# Altium PCB Time4CM4_Modular.PcbDoc (part 1 of 2) (continued)
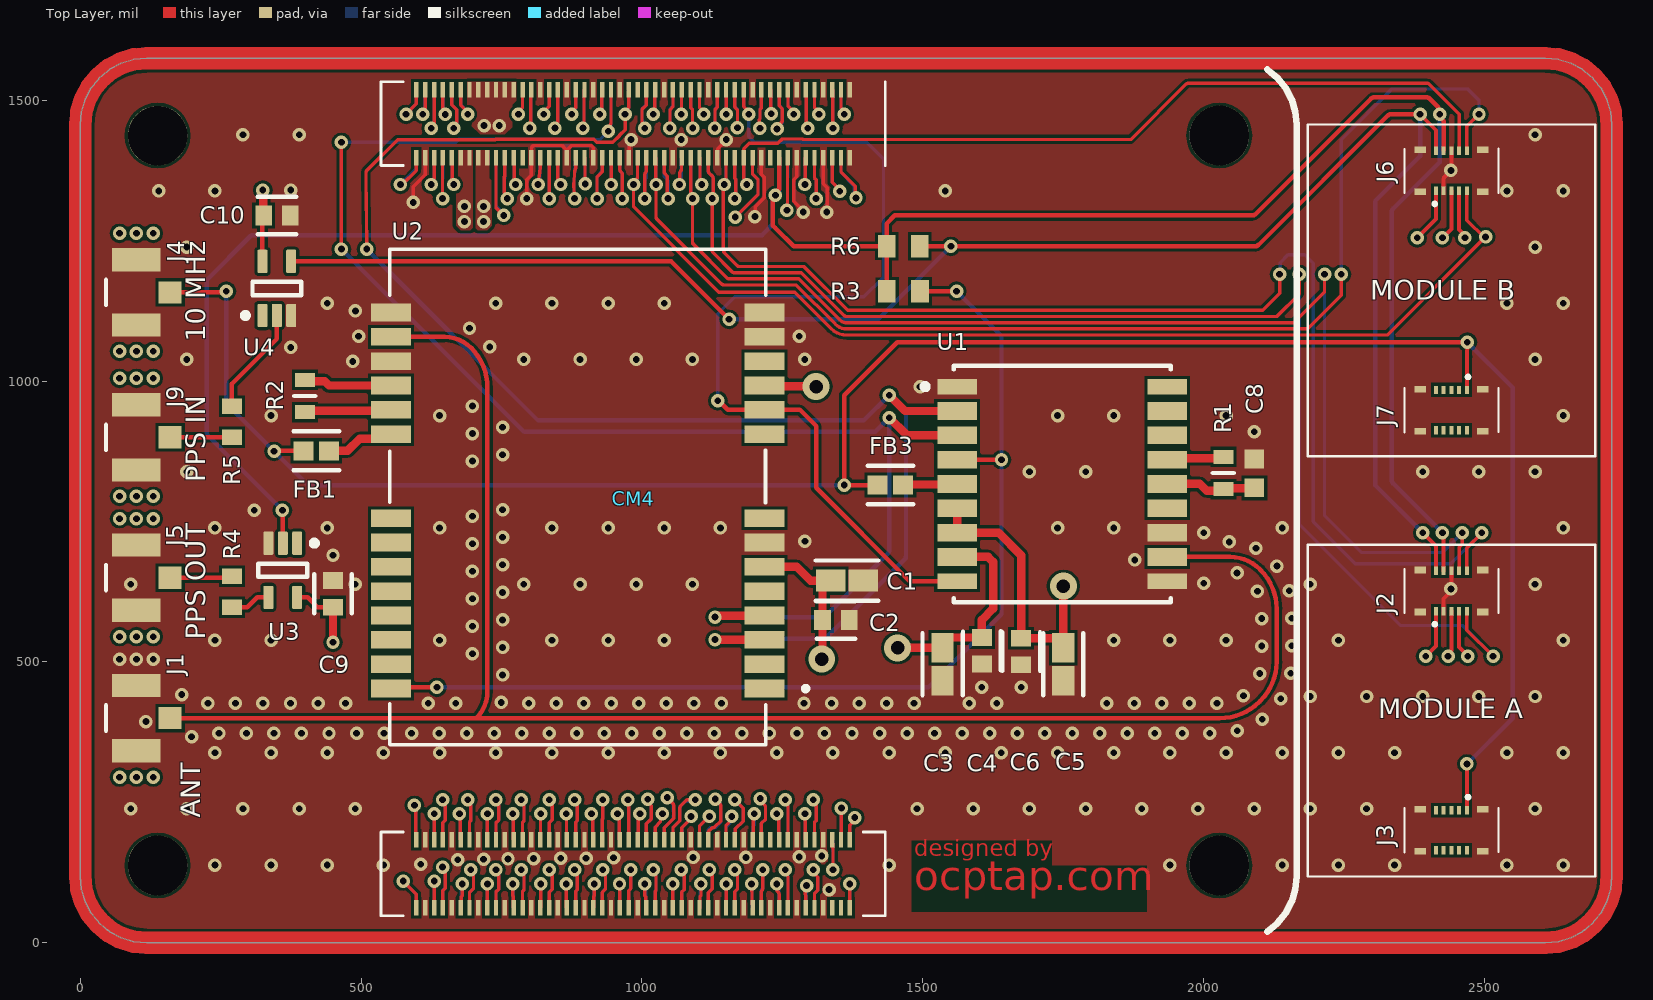
[diagram p0: Top Layer view]
## Footprints (in the part's own frame and the unit in brackets; to place one, negate y for a bottom-side part, rotate by r counter-clockwise, add the part's x,y. Pads: shape width x height; smd on the part's side, far side on the other; paste and mask are expansions set on the pad) (continued)
  silkscreen extent -18.85,-25.86 18.85,27.5, body extent -18.69,-13.82 18.69,8.79, height 1.4
CM4-F40C-100DS-0.4v_1.5mm_0mm#2 [mm] "DF40C-100DS-0.4v by Amornthep Phunsin"
  rect 0.7x0.2 smd: 1(18.5,-7.3) 2(15.42,-7.3) 3(18.5,-6.9) 4(15.42,-6.9) 5(18.5,-6.5) 6(15.42,-6.5) 7(18.5,-6.1) 8(15.42,-6.1) 9(18.5,-5.7) 10(15.42,-5.7) 11(18.5,-5.3) 12(15.42,-5.3) 13(18.5,-4.9) 14(15.42,-4.9) 15(18.5,-4.5) 16(15.42,-4.5) 17(18.5,-4.1) 18(15.42,-4.1) 19(18.5,-3.7) 20(15.42,-3.7) 21(18.5,-3.3) 22(15.42,-3.3) 23(18.5,-2.9) 24(15.42,-2.9) 25(18.5,-2.5) 26(15.42,-2.5) 27(18.5,-2.1) 28(15.42,-2.1) 29(18.5,-1.7) 30(15.42,-1.7) 31(18.5,-1.3) 32(15.42,-1.3) 33(18.5,-0.9) 34(15.42,-0.9) 35(18.5,-0.5) 36(15.42,-0.5) 37(18.5,-0.1) 38(15.42,-0.1) 39(18.5,0.3) 40(15.42,0.3) 41(18.5,0.7) 42(15.42,0.7) 43(18.5,1.1) 44(15.42,1.1) 45(18.5,1.5) 46(15.42,1.5) 47(18.5,1.9) 48(15.42,1.9) 49(18.5,2.3) 50(15.42,2.3) 51(18.5,2.7) 52(15.42,2.7) 53(18.5,3.1) 54(15.42,3.1) 55(18.5,3.5) 56(15.42,3.5) 57(18.5,3.9) 58(15.42,3.9) 59(18.5,4.3) 60(15.42,4.3) 61(18.5,4.7) 62(15.42,4.7) 63(18.5,5.1) 64(15.42,5.1) 65(18.5,5.5) 66(15.42,5.5) 67(18.5,5.9) 68(15.42,5.9) 69(18.5,6.3) 70(15.42,6.3) 71(18.5,6.7) 72(15.42,6.7) 73(18.5,7.1) 74(15.42,7.1) 75(18.5,7.5) 76(15.42,7.5) 77(18.5,7.9) 78(15.42,7.9) 79(18.5,8.3) 80(15.42,8.3) 81(18.5,8.7) 82(15.42,8.7) 83(18.5,9.1) 84(15.42,9.1) 85(18.5,9.5) 86(15.42,9.5) 87(18.5,9.9) 88(15.42,9.9) 89(18.5,10.3) 90(15.42,10.3) 91(18.5,10.7) 92(15.42,10.7) 93(18.5,11.1) 94(15.42,11.1) 95(18.5,11.5) 96(15.42,11.5) 97(18.5,11.9) 98(15.42,11.9) 99(18.5,12.3) 100(15.42,12.3) 101(-15.42,-7.3) 102(-18.5,-7.3) 103(-15.42,-6.9) 104(-18.5,-6.9) 105(-15.42,-6.5) 106(-18.5,-6.5) 107(-15.42,-6.1) 108(-18.5,-6.1) 109(-15.42,-5.7) 110(-18.5,-5.7) 111(-15.42,-5.3) 112(-18.5,-5.3) 113(-15.42,-4.9) 114(-18.5,-4.9) 115(-15.42,-4.5) 116(-18.5,-4.5) 117(-15.42,-4.1) 118(-18.5,-4.1) 119(-15.42,-3.7) 120(-18.5,-3.7) 121(-15.42,-3.3) 122(-18.5,-3.3) 123(-15.42,-2.9) 124(-18.5,-2.9) 125(-15.42,-2.5) 126(-18.5,-2.5) 127(-15.42,-2.1) 128(-18.5,-2.1) 129(-15.42,-1.7) 130(-18.5,-1.7) 131(-15.42,-1.3) 132(-18.5,-1.3) 133(-15.42,-0.9) 134(-18.5,-0.9) 135(-15.42,-0.5) 136(-18.5,-0.5) 137(-15.42,-0.1) 138(-18.5,-0.1) 139(-15.42,0.3) 140(-18.5,0.3) 141(-15.42,0.7) 142(-18.5,0.7) 143(-15.42,1.1) 144(-18.5,1.1) 145(-15.42,1.5) 146(-18.5,1.5) 147(-15.42,1.9) 148(-18.5,1.9) 149(-15.42,2.3) 150(-18.5,2.3) 151(-15.42,2.7) 152(-18.5,2.7) 153(-15.42,3.1) 154(-18.5,3.1) 155(-15.42,3.5) 156(-18.5,3.5) 157(-15.42,3.9) 158(-18.5,3.9) 159(-15.42,4.3) 160(-18.5,4.3) 161(-15.42,4.7) 162(-18.5,4.7) 163(-15.42,5.1) 164(-18.5,5.1) 165(-15.42,5.5) 166(-18.5,5.5) 167(-15.42,5.9) 168(-18.5,5.9) 169(-15.42,6.3) 170(-18.5,6.3) 171(-15.42,6.7) 172(-18.5,6.7) 173(-15.42,7.1) 174(-18.5,7.1) 175(-15.42,7.5) 176(-18.5,7.5) 177(-15.42,7.9) 178(-18.5,7.9) 179(-15.42,8.3) 180(-18.5,8.3) 181(-15.42,8.7) 182(-18.5,8.7) 183(-15.42,9.1) 184(-18.5,9.1) 185(-15.42,9.5) 186(-18.5,9.5) 187(-15.42,9.9) 188(-18.5,9.9) 189(-15.42,10.3) 190(-18.5,10.3) 191(-15.42,10.7) 192(-18.5,10.7) 193(-15.42,11.1) 194(-18.5,11.1) 195(-15.42,11.5) 196(-18.5,11.5) 197(-15.42,11.9) 198(-18.5,11.9) 199(-15.42,12.3) 200(-18.5,12.3)
  silkscreen extent -18.85,-8.9 18.85,13.9, body extent -18.67,-8.8 18.66,13.8, height 2.87
DCK0005A_M [mm] "SOT23, 5-Leads, Body 2.15x1.4mm, Pitch 0.65mm, IPC Low Density"
  rrect22% 1.05x0.45 smd: 1(-1.225,0.65) 2(-1.225,0) 3(-1.225,-0.65) 4(1.225,-0.65) 5(1.225,0.65)
  silkscreen extent -1.35,-1.1 0.3,1.55, body extent -1.14,-1 1.14,1, height 0.94
FP-BLM18-0_15-t0_8-IPC_C [mil]
  rect 35.67x33.79 smd paste+0 mask+0: 1(-22.68,0) 2(22.68,0)
  silkscreen extent -41,-34 41,34, body extent -44,-23 44,23, height 10
FP-C0603C-CF-MFG [mm]
  rect 0.75x0.9 smd paste+0 mask+0: 1(-0.6,0) 2(0.6,0)
  silkscreen extent -0.87,-0.85 0.88,0.85, body extent -1.2,-0.6 1.2,0.6, height 0.25
FP-C1608-080-0_1-IPC_A [mil]
  rect 52.4x39.85 smd paste+0 mask+0: 1(-29.15,0) 2(29.15,0)
  silkscreen extent -55,-36 55,36, body extent -75,-40 75,40, height 10
FP-ERJ3EK-MFG [mm]
  rect 0.65x0.9 smd paste+0 mask+0: 1(-0.725,0) 2(0.725,0)
  silkscreen extent 0,-0.48 0,0.48, body extent -1.15,-0.58 1.15,0.58, height 0.25
FP-MAX-M8W-0-MFG [mm]
  rect 1.8x0.7 smd paste-1000 mask+0: 1(-4.75,4.4) 9(-4.75,-4.4) 10(4.75,-4.4) 18(4.75,4.4)
  rect 1.8x0.8 smd paste-1000 mask+0: 2(-4.75,3.3) 3(-4.75,2.2) 4(-4.75,1.1) 5(-4.75,0) 6(-4.75,-1.1) 7(-4.75,-2.2) 8(-4.75,-3.3) 11(4.75,-3.3) 12(4.75,-2.2) 13(4.75,-1.1) 14(4.75,0) 15(4.75,1.1) 16(4.75,2.2) 17(4.75,3.3)
  silkscreen extent -6.32,-5.35 4.9,5.35, body extent -5.75,-5.45 5.75,5.45, height 0.25
FP-U_FL-R-SMT-1_10-MFG [mm]
  rect 1x1.05 smd paste-1000 mask+0: 1(0,1.525)
  rect 1.05x2.2 smd paste-1000 mask+0: 2(-1.475,0) 3(1.475,0)
  silkscreen extent -0.58,-1.38 0.58,-1.38, body extent -2.1,-1.48 2.1,2.15, height 0.25
LEA [mm] "u-blox LEA GNSS module"
  rect 1.8x0.8 smd paste-4: 1(8.445,-8.5)
  rect 1.8x0.8 smd paste-0.4 mask+0.102: 2(8.445,-7.4) 3(8.445,-6.3) 4(8.445,-5.2) 5(8.445,-4.1) 6(8.445,-3) 7(8.445,-1.9) 8(8.445,-0.8) 9(8.445,3) 10(8.445,4.1) 11(8.445,5.2) 12(8.445,6.3) 13(8.445,7.4) 14(8.445,8.5) 16(-8.445,7.4) 17(-8.445,6.3) 18(-8.445,5.2) 19(-8.445,4.1) 20(-8.445,3) 21(-8.445,-0.8) 22(-8.445,-1.9) 23(-8.445,-3) 24(-8.445,-4.1) 25(-8.445,-5.2) 26(-8.445,-6.3) 27(-8.445,-7.4) 28(-8.445,-8.5)
  rect 1.8x0.8 smd paste-0.4: 15(-8.445,8.5)
  silkscreen extent -8.51,-11.04 10.33,11.36, body extent -8.5,-11.01 8.5,11.39, height 2.35
RESC1608X55X25ML10T15 [mm] "Chip Resistor, 2-Leads, Body 1.60x0.80mm, IPC Low Density"
  rect 0.8x1 smd: 1(-0.75,0) 2(0.75,0)
  body extent -0.85,-0.45 0.85,0.45, height 0.55
RESC1608X55X25NL10T15 [mm] "Chip Resistor, 2-Leads, Body 1.70x0.90mm, IPC Medium Density"
  rect 0.7x0.9 smd: 1(-0.7,0) 2(0.7,0)
  body extent -0.85,-0.45 0.85,0.45, height 0.55

## Part data
C1 C3 C5: library part CMP-2000-04979-3, "Multilayer Ceramic Capacitors 10μF ±10% 10V X5R SMD 0603", Case Code (Imperial)=0603, Case Code (Metric)=1608, Dielectric=X5R, Dielectric Material=Ceramic, Max Operating Temperature=85°C, Min Operating Temperature=-55°C, Package Quantity=1, Tolerance=10%, Voltage=10V, Capacitance=10uF, Case/Package=0603, Construction=Flat, Depth=0.8mm, Height=0.8mm, Lead Free="Lead Free", Length=1.6mm, Mount="Surface Mount", Number of Pins=2, Packaging="Tape and Reel", Radiation Hardening=No, REACH SVHC="No SVHC", Resistor Type=Ceramic, RoHS Compliant=Yes, Series=C, Termination=SMD/SMT, Thickness=0.035inch, Voltage Rating=10V, Voltage Rating (DC)=10V, Weight=7.1E-05oz, Width=0.8mm
C2 C4 C6 C9 C10: library part CMP-2006-03068-2, "CAP CER 0.1UF 50V 20% X7R 0603", Capacitance="0.10 μF", Manufacturer=KEMET, Manufacturer Part Number=C0603C104M5RACTU, Package=C0603C-CF, Temperature="-55°C to +125°C", Temperature Characteristic=X7R, Temperature Coefficient=30ppm/°C, Temperature Range High=+125°C, Temperature Range Low=-55°C, Tolerance=0.2, Voltage Rating="50 V", Automotive=Yes, Automotive Grade="Grade 1", Category=Cap, ComponentLink2Description=Datasheet, ComponentLink2URL=https://api.kemet.com/component-edge/download/datasheet/C0603C100J5GACAUTO.pdf, Device Class L1="Passive Components", Device Class L2=Capacitors, Device Class L3="Ceramic Capacitors", Digikey Description="CAP CER 0.1UF 50V 20% X7R 0603", Height=0.87mm, Lead Free=Yes, Material=Ceramic, Mouser Description="Multilayer Ceramic Capacitors MLCC - SMD/SMT 50volts 0.1uF X7R 20%", Octopart=https://octopart.com/c0603c104m5ractu-kemet-11855687, RoHS=TRUE
C8: library part CMP-2006-02059-1, Manufacturer="AVX Interconnect / Elco", Part Number=0603YC103KAT2A
CM1 CM4: library part CM4, "Raspberry Pi Compute Module 4 by Amornthep Phunsin"
FB1 FB3: library part CMP-06046-001255-1, "Chip Ferrite Bead, 0603, 1000Ω @ 100MHz, 1.6Ω, 25%, 100mA", Case Code (Imperial)=0603, Case Code (Metric)=1608, DC Resistance (DCR)=1.6R, Max Current Rating=100mA, Max Operating Temperature=125°C, Min Operating Temperature=-55°C, Package Quantity=4000, Ratings=AEC-Q200, Test Frequency=100MHz, Tolerance=25%, Case/Package=0603, Contact Plating=Tin, Height=0.037inch, Impedance=1kR, Length=1.6mm, Max DC Current=100mA, Mount="Surface Mount", Number Of Circuits=1, Number of Lines=1, Packaging="Tape and Reel", Shielding=Unshielded, Termination=SMD/SMT, Width=0.8mm
J1 J4 J5 J9: library part CMP-2000-05152-3, "CONN U.FL RCPT STR 50 OHM SMD", Dielectric Material=Polymer, Frequency=6GHz, Housing Color=Beige, Insulation Resistance=500MR, Max Operating Temperature=90°C, Min Operating Temperature=-40°C, Package Quantity=2500, Body Material=Bronze, Body Plating=Silver, Connector Type=Coaxial, Contact Material=Brass, Contact Plating=Gold, Depth=3.1mm, Fastening Type=Snap, Gender=Male, Impedance=50R, Lead Free="Lead Free", Length=3mm, Max Frequency=6GHz, Mount="Surface Mount", Orientation=Straight, Packaging="Cut Tape", Radiation Hardening=No, REACH SVHC="No SVHC", Series=U.FL, Termination=Solder, Weight=0.001764oz, Wire/Cable Type=Coaxial
J2 J3 J6 J7: "Connector", Manufacturer_Name=Hirose, Manufacturer_Part_Number=BM23FR0.8-10DS-0.35V(895), Mouser Part Number=798-3FR0810DS035V895, Datasheet Link=https://componentsearchengine.com/Datasheets/1/BM23FR0.8-10DS-0.35V(895).pdf, Height=0.9mm, Mouser Price/Stock=https://www.mouser.co.uk/ProductDetail/Hirose-Connector/BM23FR08-10DS-035V895/?qs=YCa%2FAAYMW01IXWgIGURT8A%3D%3D
R1 R2: library part CMP-2000-00195-2, "RES SMD 10 OHM 1% 1/10W 0603", Manufacturer=Panasonic, Manufacturer Part Number=ERJ-3EKF10R0V, Package=ERJ3EK, Power=100mW, Power Rating=0.1W, Resistance=10Ω, Temperature="-55°C to +155°C", Temperature Coefficient=100ppm/°C, Temperature Range High=+155°C, Temperature Range Low=-55°C, Tolerance=1%, Voltage Rating=75V, Automotive=Yes, Automotive Grade="Grade 0", Category=Res, ComponentLink2Description=Datasheet, ComponentLink2URL=https://b2b-api.panasonic.eu/file_stream/pids/fileversion/1263, Composition="Thick Film", Device Class L1="Passive Components", Device Class L2=Resistors, Device Class L3="Chip SMD Resistors", Digikey Description="RES SMD 10 OHM 1% 1/10W 0603", Footprint Url=https://industrial.panasonic.com/cdbs/www-data/pdf/RDA0000/DMA0000COL17.pdf, Height=0.55mm, Ipc Land Pattern Name=RESC16080X45, Lead Free=Yes, Octopart=https://octopart.com/erj-3ekf10r0v-panasonic-55403649, RoHS=TRUE, Series=ERJ
R3 R6: library part CMP-2100-03667-1, "Chip Resistor, 0 Ohm, +/- 5%, 0.1 W, -55 to 155 degC, 0603 (1608 Metric), RoHS, Tape and Reel", Case Code (Imperial)=0603, Case Code (Metric)=1608, Manufacturer=Yageo, Max Operating Temperature=155degC, Min Operating Temperature=-55degC, Package Description="2-Pin Surface Mount Device, Body 1.6 x 0.8 mm", Package Quantity=5000, Power Rating=100mW, Resistance=0mOhm, Temperature Coefficient=200ppm/degreesC, Tolerance=5%, Voltage Rating=50V, Case/Package=0603, Composition=ThickFilm, Contact Plating=Tin, Datasheet URL=http://www.yageo.com/NewPortal/yageodocoutput?fileName=/pdf/R-Chip/PYu-RC_Group_51_RoHS_L_5.pdf, Datasheet Version="Rev. 5, 10/2016", Depth=0.8mm, Height=0.45mm, Lead Free=LeadFree, Length=1.6mm, Manufacturer URL=http://www.yageo.com/, Military Standard=Not, Number of Pins=2, Package Reference=0603, Packaging=TapeandReel, Radiation Hardening=No, REACH SVHC=NoSVHC, RoHSCompliant=true, Termination=SMD/SMT, Voltage Rating (DC)=50V, Width=0.8mm
R4 R5: library part CMP-1659-00036-1, "General Purpose Chip Resistor, 49.9 Ohm, +/- 1%, -55 to 155 degC, 0603 (1608 Metric), RoHS, Tape and Reel", Case\Package=LQFP, Max Operating Temperature="85 degC", Max Supply Voltage="3.63 V", Min Operating Temperature="-40 degC", Min Supply Voltage="2.97 V", Package Quantity=250, ComponentLink1Description="Manufacturer URL", ComponentLink1URL=http://www.yageo.com/, ComponentLink2Description=Datasheet, ComponentLink2URL=https://datasheet.ciiva.com/11808/0900766b80f96399-11808223.pdf, DatasheetVersion="Rev. 4, 04/2009", Interface=SPI, PackageDescription="2-Pin Surface Mount Device, Body 1.6 x 0.8 mm", PackageReference=0603, Packaging=Tray, Pins=48, RoHSCompliant=true
U1: library part CMP-207130-000023-1, "RF RCVR GNSS/GPS 1.575GHZ 18LCC", Case/Package=SMD/SMT, Current - Receiving=23mA, Frequency=1.575GHz, Max Operating Temperature=85°C, Min Operating Temperature=-40°C, Interface=I2C, Packaging="Tape and Reel", RoHS Compliant=Yes, Sensitivity=-167dBm
U2: library part LEA, "u-blox LEA GNSS module", Manufacturer=u-blox, Part Description="u-blox LEA-M8 GNSS module"
U3 U4: library part CMP-0859-00353-3, "Low-Power Single Buffer Gate, DCK0005A, LARGE T&R", F @ Nom Voltage(Max)(Mhz)=100, Generic Part Number=SN74AUP1G34, ICC @ Nom Voltage(Max)(mA)=0.0009, Manufacturer="Texas Instruments", Operating Temperature Range(C)="-40 to 85", Rating=Catalog, tpd @ Nom Voltage(Max)(ns)=36.3,16.3,11,9.3,6.4,5.3, Voltage(Nom)(V)=0.8,1.2,1.5,1.8,2.5,3.3, 3-State Output=No, Bits(#)=1, DatasheetVersion=SCES603K, Input Type=CMOS, Logic=True, Output Drive (IOL/IOH)(Max)(mA)=20/-20, Output Type=CMOS, PackageReference=DCK0005A, Schmitt Trigger=No, Sub-Family="Non-Inverting Buffer/Driver", Technology Family=AUP, VCC(Max)(V)=3.6, VCC(Min)(V)=0.8

## Free pads (board coordinates)
  round 106.3 hole 106.3: 1(137.8,137.79) 1(137.8,1437.01) 1(2027.56,137.79) 1(2027.56,1437.15)

## Via types
v1: diameter 24, hole 12, Top Layer to Bottom Layer, 348 vias
v2: diameter 24, hole 12, Top Layer to Bottom Layer, tented both sides, 121 vias
v3: diameter 48, hole 24, Top Layer to Bottom Layer, 4 vias

## Nets (pads, with @x,y where several pads share a name; then routed paths per layer and width w, separated by ;. In a path a pad name is that pad's centre, name@x,y a point inside that pad or via, vN(x,y) a via of type N, cw(c..) or ccw(c..) an arc to the next point about the centre after c; other vN are vias at no path point)
1V8: CM1.88 CM1.90 CM4.88 CM4.90 J2.5 J6.5 | length 2838.7
  Top Layer w7: v1(2425,1255) 2440.94,1270.94 J6.5@2440.94,1338.58 ; v1(2435,510) 2435,514.6 2440.94,520.55 J2.5@2440.94,590.55
  Int2 (PWR) w20: v1(684,1284) v1(684,1311) 684.77,1311.77 684.77,1321.77 741,1378 1429,1378 1515,1292 2388,1292 v1(2425,1255) 2425,935 2348,858 2348,659 2435,572 v1(2435,510)
3V3: C1.1 C2.1 C3.1 C4.1 C5.1 C6.1 C9.1 C10.1 CM1.84 CM1.86 CM4.84 CM4.86 J2.1 J6.1 U1.6 U1.7 U1.8 U2.6 U2.11 U3.5 U4.5 | length 1698.2
  Top Layer w7: v1(2380,1255) 2413.39,1288.39 J6.1@2413.39,1338.58 ; v1(2395,510) 2413.39,528.39 J2.1@2413.39,590.55
  Top Layer w8: U4.5@324.41,1213.23 C10.1@324.41,1293.03 ; U3.5@386.18,615 405,615 422.24,597.76 C9.1@450,597.76
  Top Layer w15: C10.1@324.41,1293.03 325.69,1294.31 325.69,1339.31 v1(325,1340) ; v1(450,535) C9.1@450,597.76 ; U2.6@1218.33,669.29 1275.71,669.29 1300,645 C1.1@1335.85,645 1325,634.15 1322.96,634.15 1321.38,632.58 C2.1@1321.38,575 1321.38,508.33 cw(c1316.67,508.33) v3(1320,505) ; U2.11@1218.33,992.13 1219.39,991.06 1308.94,991.06 v3(1310,990) ; v3(1455,525) C3.1@1535,525 1535,531.2 1547.42,543.62 C4.1@1605,543.62 1605,575 1625,595 1625,678.22 1616.21,687.01 U1.8@1561.06,687.01 ; U1.6@1561.06,773.62 U1.7@1561.06,730.31 1634.69,730.31 1675,690 C6.1@1675,542.24 1737.58,542.24 C5.1@1750,529.82 ; C5.1@1750,525 C5.1@1750,529.82 ; v3(1750,635) C5.1@1750,529.82
  other v1: 718,1284 718,1311
5V: CM1.77 CM1.79 CM1.81 CM1.83 CM1.85 CM1.87 CM4.77 CM4.79 CM4.81 CM4.83 CM4.85 CM4.87 J2.7 J6.7 | length 2818.1
  Top Layer w7: J2.7@2454.72,590.55 2454.72,526.54 2470,511.27 v1(2470,510) ; J6.7@2454.72,1338.58 2454.72,1269.88 2465,1259.6 v1(2465,1255)
  Int2 (PWR) w20: v1(719,1455) v1(746,1455) ; v1@746.77,1454.23 798,1403 1514.5,1403 1583.5,1334 2421,1334 2466,1289 2465.77,1288.77 2465.77,1255.77 v1(2465,1255) 2465,1148 2527,1086 2527,614 2470,557 v1(2470,510)
10MHz: FB1.1 FB3.1 J3.1 J4.1 J7.1 | length 3868.4
  Top Layer w7: J3.1@2468.5,236.22 2468.55,236.26 v1(2468.55,318.55) ; J7.1@2468.5,984.25 2468.55,984.3 2468.55,1043.27 cw(c2475.55,1043.27) 2468.55,1043.47 v1(2469.27,1069.27)
  Top Layer w8: J4.1@160.04,1158.07 260,1158.07 v1(260,1160) ; v1(345,875) 345,875.98 FB1.1@397.55,875.98 ; FB3.1@1419.64,815 v1(1360,815) 1360,975 1454.27,1069.27 v1(2469.27,1069.27)
  Bottom Layer w8: v1(260,1160) 260,963.31 ccw(c268,963.31) 262.33,957.67 v1(345,875) 405,815 v1(1360,815) ; v1(2468.55,318.55) 2550,400 2550,988.55 v1(2469.27,1069.27)
ANAIP_0: CM1.96 CM4.96 | length 87.3
  Top Layer w6: v1@629.92,1359.79 CM4.96@629.92,1397.64
  Bottom Layer w6: v1(625,1350) 625,1354.87 629.92,1359.79 CM1.96@629.92,1397.44
ANAIP_1: CM1.94 CM4.94 | length 145.4
  Top Layer w6: v1(645,1325) 645,1386.86 CM4.94@645.67,1397.64
  Bottom Layer w6: v1(645,1325) 645,1359.65 645.67,1360.32 CM1.94@645.67,1397.44
BT_DIS: CM1.91 CM4.91 | length 137.1
  Top Layer w6: CM4.91@661.42,1518.9 661.42,1491.58 670,1483 670,1459.74 665.05,1454.79 v1(665.05,1449.92)
  Bottom Layer w6: CM1.91@661.42,1518.7 661.42,1491.58 670,1483 v1@670,1459.74
CM0_C_N: CM1.140 CM4.140 | length 131.4
  Top Layer w6: CM4.140@1070.87,62.2 1070.87,90.6 1075,94.73 v1@1075,120.13
  Bottom Layer w6: v1(1070,130) 1070,125.13 1075,120.13 1075,95.1 1070.87,90.97 CM1.140@1070.87,62.01
CM0_C_P: CM1.142 CM4.142 | length 85.9
  Top Layer w6: v1(1055,105) 1055.06,104.94 1055.06,62.26 CM4.142@1055.12,62.2
  Bottom Layer w6: v1(1055,105) 1055.06,104.94 1055.06,62.07 CM1.142@1055.12,62.01
CM0_D0_N: CM1.128 CM4.128 | length 131.8
  Top Layer w6: CM4.128@1165.35,62.2 1165.35,90.81 1170,95.46 v1@1170,120.13
  Bottom Layer w6: v1(1165,130) 1165,125.13 1170,120.13 1170,95.36 1165.35,90.71 CM1.128@1165.35,62.01
CM0_D0_P: CM1.130 CM4.130 | length 86.1
  Top Layer w6: CM4.130@1149.61,62.2 1149.8,62.4 1149.8,104.8 v1(1150,105)
  Bottom Layer w6: CM1.130@1149.61,62.01 1149.8,62.2 1149.8,104.8 v1(1150,105)
CM0_D1_N: CM1.134 CM4.134 | length 133.7
  Top Layer w6: CM4.134@1118.11,62.2 1118.11,89.22 1125,96.11 v1@1125,120.13
  Bottom Layer w6: CM1.134@1118.11,62.01 1118.11,89.59 1125,96.48 1125,120.13 1120,125.13 v1(1120,130)
CM0_D1_P: CM1.136 CM4.136 | length 88
  Top Layer w6: CM4.136@1102.36,62.2 1103.3,63.14 1103.3,82.3 1105,84 v1(1105,105)
  Bottom Layer w6: CM1.136@1102.36,62.01 1103.3,62.94 1103.3,103.3 v1(1105,105)
CM1_C_N: CM1.127 CM4.127 | length 167.8
  Top Layer w6: v1(1165,255) 1180,240 1180,216.72 1166.29,203.01 1166.29,184.4 CM4.127@1165.35,183.46
  Bottom Layer w6: v1(1165,255) 1180,240 1180,216.72 1166.29,203.01 1166.29,184.2 CM1.127@1165.35,183.27
CM1_C_P: CM1.129 CM4.129 | length 91.9
  Top Layer w6: CM4.129@1149.61,183.46 1149.61,209.74 1160,220.13 v1(1160,225)
  Bottom Layer w6: CM1.129@1149.61,183.27 1149.61,206.05 1156.56,213 1156.56,221.56 v1(1160,225)
CM1_D0_N: CM1.115 CM4.115 | length 135.6
  Top Layer w6: CM4.115@1259.84,183.46 1259.84,216.19 1260,216.34 v1@1260,245.13
  Bottom Layer w6: v1(1255,255) 1255,250.13 1260,245.13 1260,216.24 1259.84,216.09 CM1.115@1259.84,183.27
CM1_D0_P: CM1.117 CM4.117 | length 96.7
  Top Layer w6: v1(1240,230) 1243.16,226.84 1243.16,184.4 CM4.117@1244.09,183.46
  Bottom Layer w6: v1(1240,230) 1243.16,226.84 1243.16,184.2 CM1.117@1244.09,183.27
CM1_D1_N: CM1.121 CM4.121 | length 160.9
  Top Layer w6: v1(1210.77,256.93) 1210.77,252.06 1220,242.83 1220,219.97 1212.6,212.56 CM4.121@1212.6,183.46
  Bottom Layer w6: v1(1210.77,256.93) 1210.77,252.06 1220,242.83 1220,220.72 1212.6,213.32 CM1.121@1212.6,183.27
CM1_D1_P: CM1.123 CM4.123 | length 95.9
  Top Layer w6: CM4.123@1196.85,183.46 1197.79,184.4 1197.79,227.79 v1(1200,230)
  Bottom Layer w6: CM1.123@1196.85,183.27 1197.07,183.49 1197.07,206.05 1200,208.97 v1(1200,230)
CM1_D2_N: CM1.133 CM4.133 | length 177
  Top Layer w6: CM4.133@1118.11,183.46 1118.11,195.84 cw(c1124.11,195.84) 1119.85,200.06 1123.29,203.51 cw(c1127.52,199.24) 1126.14,205.09 1127.5,205.4 ccw(c1126.12,211.24) 1129.74,206.46 1140,216.72 1140,244.27 ccw(c1134,244.27) 1138.27,248.49 v1(1130.66,256.1)
  Bottom Layer w6: CM1.133@1118.11,183.27 1118.11,201.49 1121.63,205 1126.56,205 1126.61,205.05 1130.05,205.05 1140,215 1140,232.92 1139.84,234.08 cw(c1145.78,234.9) 1139.78,234.86 1139.78,244.5 ccw(c1133.78,244.5) 1138.04,248.72 1134.09,252.67 v1(1130.66,256.1)
CM1_D2_P: CM1.135 CM4.135 | length 97.9
  Top Layer w6: CM4.135@1102.36,183.46 1102.36,207.36 v1(1120,225)
  Bottom Layer w6: CM1.135@1102.36,183.27 1102.36,207.36 v1(1120,225)
CM1_D3_N: CM1.139 CM4.139 | length 96.9
  Top Layer w6: CM4.139@1070.87,183.46 1070.87,205.09 1087.38,221.6 v1(1087.38,225)
  Bottom Layer w6: CM1.139@1070.87,183.27 1071.8,184.2 1071.8,206.03 1087.38,221.6 v1(1087.38,225)
CM1_D3_P: CM1.141 CM4.141 | length 193.4
  Top Layer w6: CM4.141@1055.12,183.46 1055.12,204.9 1067.38,217.16 1067.38,239.93 cw(c1073.38,239.89) 1069.1,244.1 1078.26,253.26 cw(c1082.49,249) 1082.49,255 v1(1095,255)
  Bottom Layer w6: CM1.141@1055.12,183.27 1055.12,204.9 1067.38,217.16 1067.38,242.38 1076.56,251.56 1091.56,251.56 v1(1095,255)
CM_GPIOx: CM1.97 CM4.97 | length 91.1
  Top Layer w6: v1(609.92,1475) 609.92,1479.87 614.17,1484.12 CM4.97@614.17,1518.9
  Bottom Layer w6: v1(609.92,1475) 613.24,1478.31 613.24,1517.76 CM1.97@614.17,1518.7
DSI0_C_N: CM1.169 CM4.169 | length 139.9
  Top Layer w6: CM4.169@834.65,183.46 834.65,213.59 840,218.94 v1@840,245.13
  Bottom Layer w6: CM1.169@834.65,183.27 834.65,213.49 840,218.84 840,245.13 835,250.13 v1(835,255)
DSI0_C_P: CM1.171 CM4.171 | length 94.2
  Top Layer w6: CM4.171@818.9,183.46 819.45,184.02 819.45,229.45 v1(820,230)
  Bottom Layer w6: CM1.171@818.9,183.27 819.45,183.82 819.45,229.45 v1(820,230)
DSI0_D0_N: CM1.157 CM4.157 | length 144
  Top Layer w6: CM4.157@929.13,183.46 929.13,220.03 930,220.9 v1(930,255)
  Bottom Layer w6: CM1.157@929.13,183.27 929.13,219.93 930,220.8 v1(930,255)
DSI0_D0_P: CM1.159 CM4.159 | length 96.1
  Top Layer w6: v1(910,230) 912.45,227.55 912.45,184.4 CM4.159@913.39,183.46
  Bottom Layer w6: v1(910,230) 912.45,227.55 912.45,184.2 CM1.159@913.39,183.27
DSI0_D1_N: CM1.163 CM4.163 | length 138
  Top Layer w6: CM4.163@881.89,183.46 881.89,214.71 885,217.82 v1@885,245.13
  Bottom Layer w6: v1(880,255) 880,250.13 885,245.13 885,217.72 881.89,214.61 CM1.163@881.89,183.27
DSI0_D1_P: CM1.165 CM4.165 | length 94.2
  Top Layer w6: v1(865,230) 865.57,229.43 865.57,184.04 CM4.165@866.14,183.46
  Bottom Layer w6: v1(865,230) 865.57,229.43 865.57,183.84 CM1.165@866.14,183.27
DSI1_C_N: CM1.187 CM4.187 | length 137.2
  Top Layer w6: CM4.187@692.91,183.46 692.91,215.22 695,217.31 v1@695,245.13
  Bottom Layer w6: v1(690,255) 690,250.13 695,245.13 695,217.21 692.91,215.12 CM1.187@692.91,183.27
DSI1_C_P: CM1.189 CM4.189 | length 95.1
  Top Layer w6: v1(675,230) 676.23,228.77 676.23,184.4 CM4.189@677.17,183.46
  Bottom Layer w6: v1(675,230) 676.23,228.77 676.23,184.2 CM1.189@677.17,183.27
DSI1_D0_N: CM1.175 CM4.175 | length 137.6
  Top Layer w6: CM4.175@787.4,183.46 787.4,214.97 790,217.56 v1@790,245.13
  Bottom Layer w6: v1(785,255) 785,250.13 790,245.13 790,217.47 787.4,214.87 CM1.175@787.4,183.27
DSI1_D0_P: CM1.177 CM4.177 | length 94.6
  Top Layer w6: v1(770,230) 770.83,229.17 770.83,184.29 CM4.177@771.65,183.46
  Bottom Layer w6: v1(770,230) 770.83,229.17 770.83,184.09 CM1.177@771.65,183.27
DSI1_D1_N: CM1.181 CM4.181 | length 139.5
  Top Layer w6: CM4.181@740.16,183.46 740.16,213.84 745,218.69 v1@745,245.13
  Bottom Layer w6: v1(740,255) 740,250.13 745,245.13 745,218.59 740.16,213.74 CM1.181@740.16,183.27
DSI1_D1_P: CM1.183 CM4.183 | length 93.8
  Top Layer w6: CM4.183@724.41,183.46 724.7,183.76 724.7,229.7 v1(725,230)
  Bottom Layer w6: CM1.183@724.41,183.27 724.7,183.56 724.7,229.7 v1(725,230)
DSI1_D2_N: CM1.193 CM4.193 | length 139.1
  Top Layer w6: CM4.193@645.67,183.46 645.67,214.1 650,218.43 v1@650,245.13
  Bottom Layer w6: v1(645,255) 645,250.13 650,245.13 650,218.33 645.67,214 CM1.193@645.67,183.27
DSI1_D2_P: CM1.195 CM4.195 | length 93.3
  Top Layer w6: CM4.195@629.92,183.46 CM4.195@629.92,183.46 v1(630,230) v1(630,230)
  Bottom Layer w6: CM1.195@629.92,183.27 CM1.195@629.92,183.27 v1(630,230) v1(630,230)
DSI1_D3_N: CM1.194 CM4.194 | length 141.6
  Top Layer w6: CM4.194@645.67,62.2 645.67,93 650,97.33 v1@650,125.13
  Bottom Layer w6: v1(645,135) 645,130.13 650,125.13 650,97.7 645.67,93.37 CM1.194@645.67,62.01
DSI1_D3_P: CM1.196 CM4.196 | length 95.9
  Top Layer w6: CM4.196@629.92,62.2 629.96,62.24 v1(630,110) v1(630,110)
  Bottom Layer w6: CM1.196@629.92,62.01 629.96,62.05 v1(630,110) v1(630,110)
ETH_LED1: CM1.19 CM4.19 | length 87.1
  Top Layer w6: CM4.19@1228.35,1518.9 1229.17,1518.07 1229.17,1476.74 v1(1230,1475.92)
  Bottom Layer w6: CM1.19@1228.35,1518.7 1229.17,1517.87 1229.17,1476.74 v1(1230,1475.92)
ETH_LED2: CM1.17 CM4.17 | length 152.7
  Top Layer w6: v1(1240.46,1448.87) 1240.46,1452.59 1250,1462.13 1250,1484.46 1244.09,1490.37 CM4.17@1244.09,1518.9
  Bottom Layer w6: v1(1240.46,1448.87) 1240.46,1450.46 1250,1460 1250,1485 1244.09,1490.91 CM1.17@1244.09,1518.7
ETH_LED3: CM1.15 CM4.15 | length 96
  Top Layer w6: CM4.15@1259.84,1518.9 1259.84,1490.03 1270,1479.87 v1(1270,1475)
  Bottom Layer w6: CM1.15@1259.84,1518.7 1259.84,1490.03 1270,1479.87 v1(1270,1475)
ETH_PAIR0_N: CM1.10 CM4.10 | length 147.5
  Top Layer w6: CM4.10@1307.09,1397.64 1307.09,1361.54 1310,1358.63 v1(1310,1325)
  Bottom Layer w6: CM1.10@1307.09,1397.44 1307.09,1361.44 1310,1358.53 v1(1310,1325)
ETH_PAIR0_P: CM1.12 CM4.12 | length 96.2
  Top Layer w6: v1(1290,1350) 1290.67,1350.67 1290.67,1396.97 CM4.12@1291.34,1397.64
  Bottom Layer w6: v1(1290,1350) 1290.67,1350.67 1290.67,1396.77 CM1.12@1291.34,1397.44
ETH_PAIR1_N: CM1.6 CM4.6 | length 130.2
  Top Layer w6: CM4.6@1338.58,1397.64 1338.58,1354.28 1352,1340.86 v1(1352,1338)
  Bottom Layer w6: CM1.6@1338.58,1397.44 1338.58,1354.28 1352,1340.86 v1(1352,1338)
ETH_PAIR1_P: CM1.4 CM4.4 | length 165.2
  Top Layer w6: CM4.4@1354.33,1397.64 1354.33,1372.2 1379.53,1347 1379.53,1327.47 v1(1381,1326)
  Bottom Layer w6: CM1.4@1354.33,1397.44 1354.33,1370.67 1378,1347 1378,1329 v1(1381,1326)
ETH_PAIR2_N: CM1.9 CM4.9 | length 94.2
  Top Layer w6: CM4.9@1307.09,1518.9 1307.09,1487.78 1315,1479.87 v1(1315,1475)
  Bottom Layer w6: CM1.9@1307.09,1518.7 1307.09,1487.78 1315,1479.87 v1(1315,1475)
ETH_PAIR2_P: CM1.11 CM4.11 | length 140.6
  Top Layer w6: CM4.11@1291.34,1518.9 1292.28,1517.96 1292.28,1452.72 v1(1295,1450)
  Bottom Layer w6: CM1.11@1291.34,1518.7 1292.28,1517.76 1292.28,1452.72 v1(1295,1450)
ETH_PAIR3_N: CM1.5 CM4.5 | length 138.8
  Top Layer w6: CM4.5@1338.58,1518.9 1339.29,1518.19 1339.29,1450.71 v1(1340,1450)
  Bottom Layer w6: CM1.5@1338.58,1518.7 1339.29,1517.99 1339.29,1450.71 v1(1340,1450)
ETH_PAIR3_P: CM1.3 CM4.3 | length 79.4
  Top Layer w6: v1@1354.33,1485.54 CM4.3@1354.33,1518.9
  Bottom Layer w6: CM1.3@1354.33,1518.7 1354.33,1485.54 1360,1479.87 v1(1360,1475)
ETH_SYNC_IN: CM1.16 CM4.16 | length 188.7
  Top Layer w6: v1(1258,1304) 1259,1305 1259,1396.8 CM4.16@1259.84,1397.64
  Bottom Layer w6: v1(1258,1304) 1259,1305 1259,1362.84 1259.92,1363.76 1259.92,1397.36 CM1.16@1259.84,1397.44
ETH_SYNC_OUT: CM1.18 CM4.18 J2.4 J6.4 R3.2 R6.1 U3.2 | length 4210.1
  Top Layer w7: J2.4@2427.17,662.2 v1@2427.17,725.35
  Top Layer w8: v1(360,770) 360.3,769.7 360.3,711.75 U3.2@360.59,711.46 ; v1(1237.61,1331) v1@1237.61,1335.33 ; CM4.18@1244.16,1397.57 CM4.18@1244.09,1397.64 1244.09,1341.81 v1@1237.61,1335.33 ; R3.2@1435.94,1160 cw(c1437.09,1161.14) 1435.47,1161.14 R6.1@1435.47,1240 ; J6.4@2427.17,1410.24 2427.17,1462.96 2420,1470.13 v1(2420,1475) 2420,1481.65 2419.89,1481.96 2417.64,1487.36 2402.34,1502.66 ccw(c2396.69,1497) 2396.69,1505 2303.31,1505 ccw(c2303.31,1497) 2297.66,1502.66 2092.03,1297.03 cw(c2087.1,1302) 2087.1,1295 1450,1295 1435.47,1280.47 R6.1@1435.47,1240 ; v1@1237.61,1335.33 1233.28,1331 1233,1331 1233,1277 1237.34,1272.66 1270,1240 R6.1@1435.47,1240
  Bottom Layer w8: v1(360,770) 227.35,902.65 225,908.31 225,1180 302.66,1257.66 cw(c308.31,1252) 308.31,1260 1214,1260 1233,1279 1233,1331 v1@1233.28,1331 ; v1(1237.61,1331) v1@1233.28,1331 ; v1@1240.68,1338.39 v1@1233.28,1331 ; v1@1244.09,1337.48 CM1.18@1244.09,1397.44 ; v1(2420,1475) 2420,1390 2337.34,1307.34 ccw(c2343,1301.69) 2335,1301.69 2335,823.31 ccw(c2343,823.31) 2337.34,817.66 v1(2425,730)
GLOBAL_EN: CM1.99 CM4.99 | length 102.9
  Top Layer w6: v1(580,1475) 598.43,1493.43 CM4.99@598.43,1518.9
  Bottom Layer w6: v1(580,1475) 598.43,1493.43 CM1.99@598.43,1518.7